# Altium PCB PCB for invertor.PcbDoc (part 1 of 2)
Units mm, origin at the board's own origin, x right, y up, seen from the top; angles counter-clockwise.
Board outline 300 x 145 mm, 2 copper layers (Top Layer, Bottom Layer), stack 1.642 mm thick; 246 components, 87 nets, 780 pads, 936 vias.
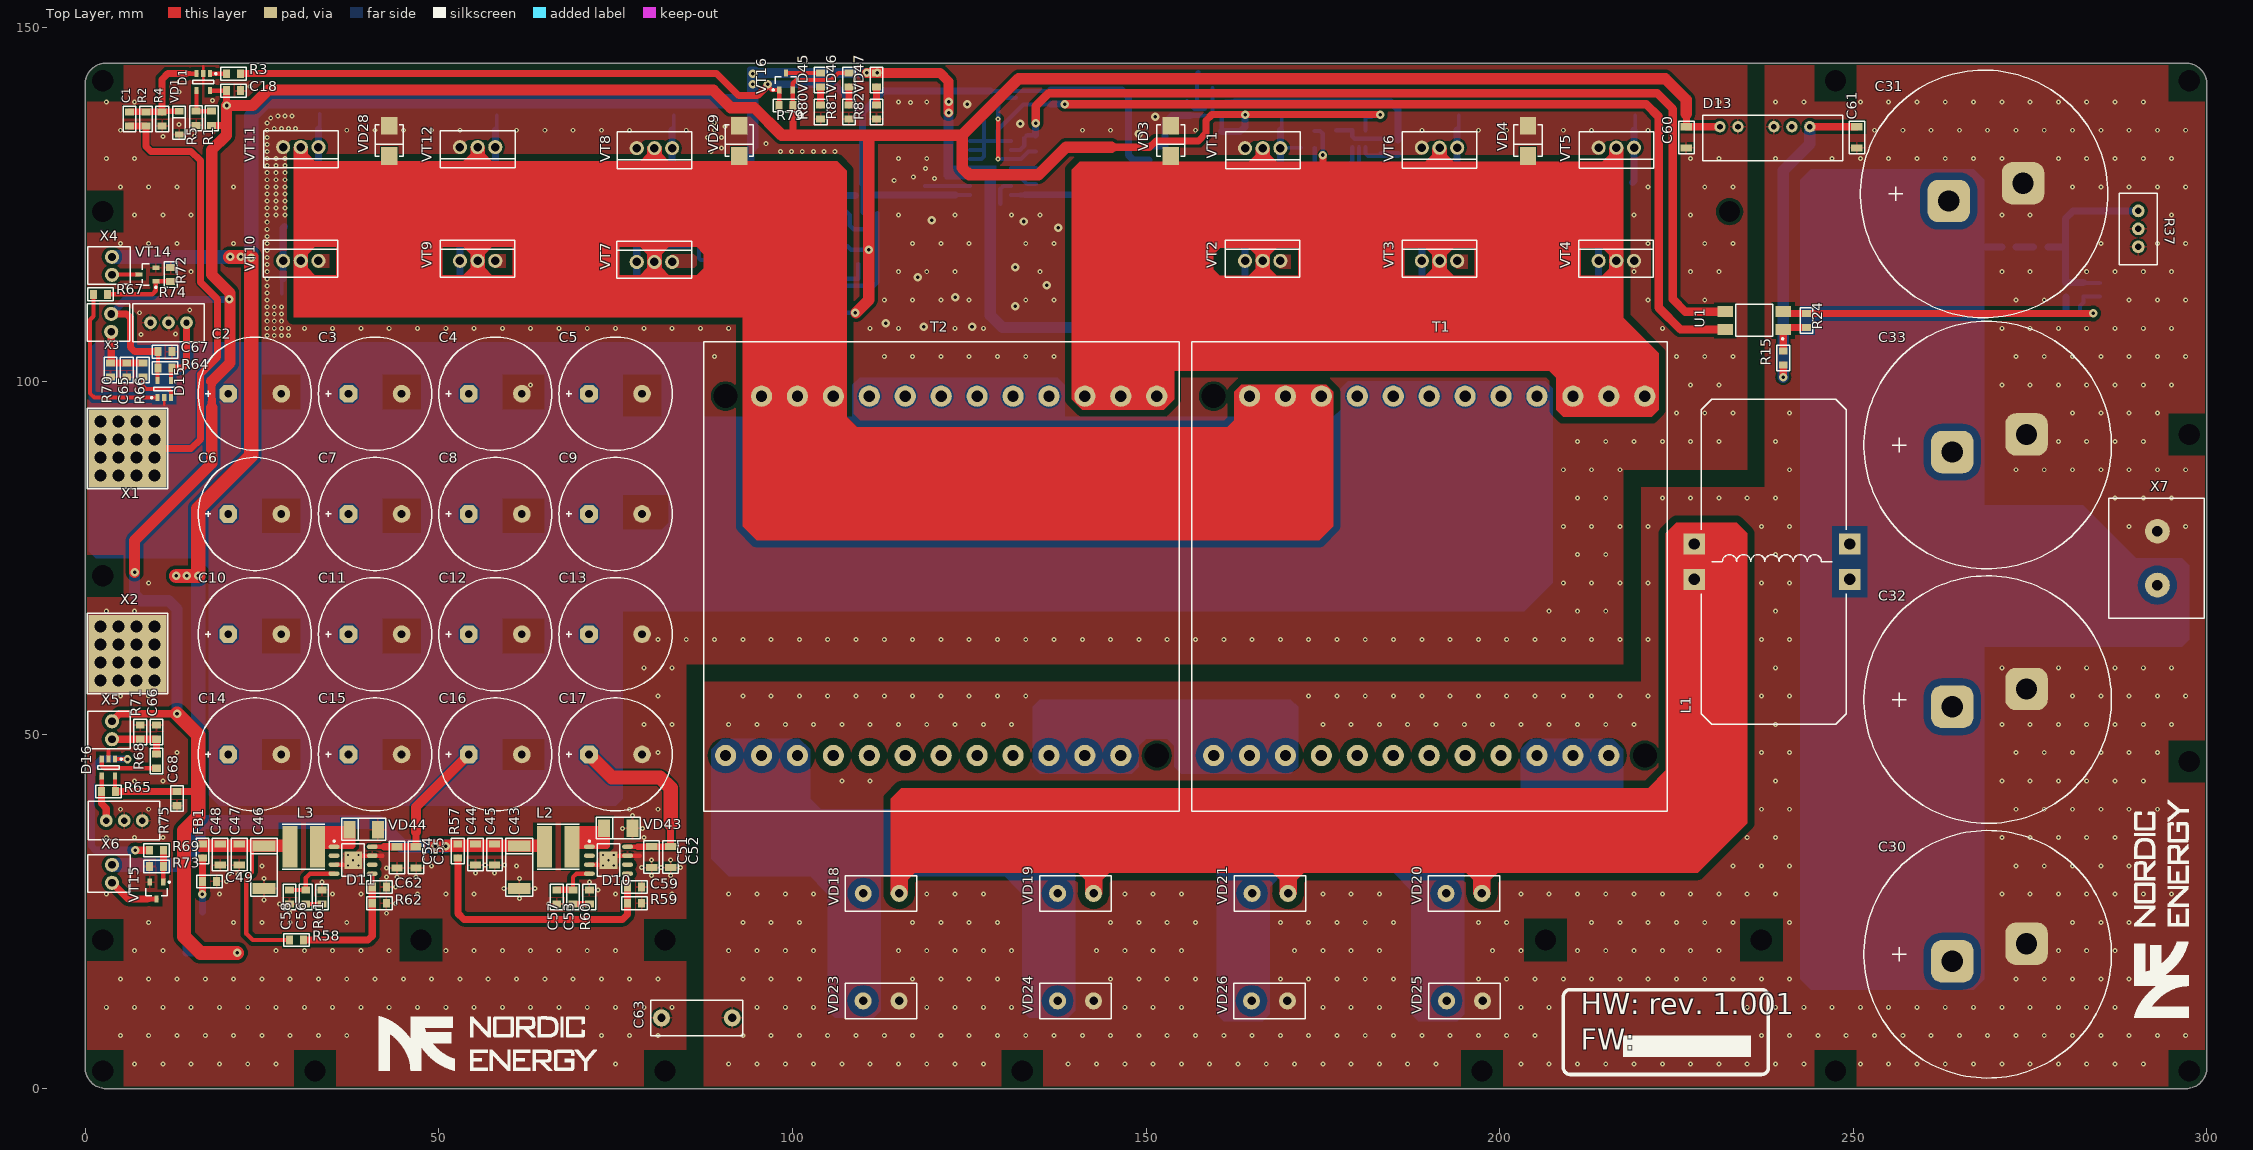
[diagram p0: Top Layer view]
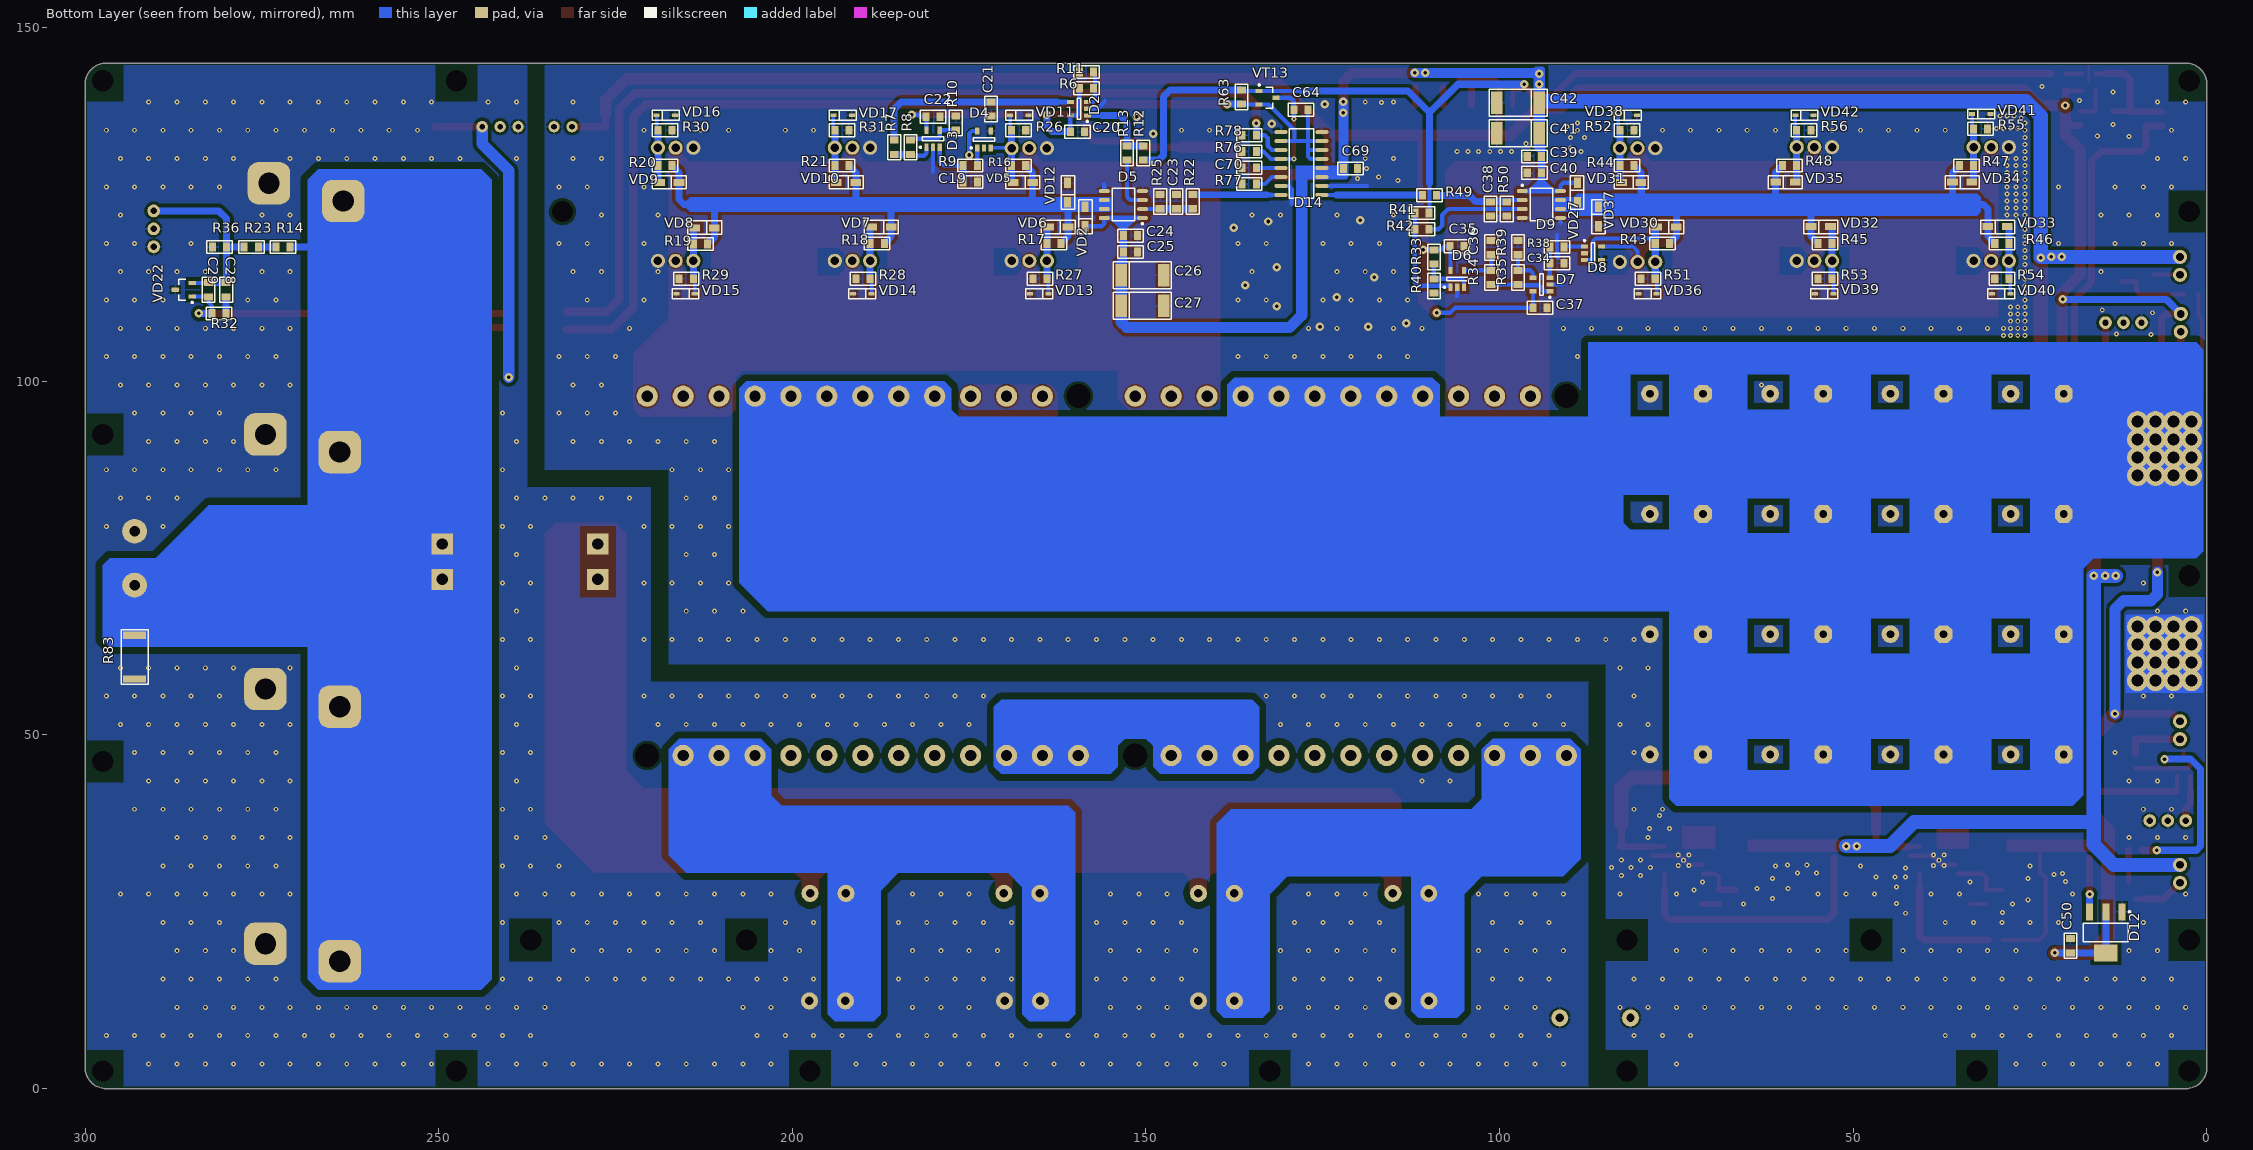
[diagram p1: Bottom Layer view, seen from below]
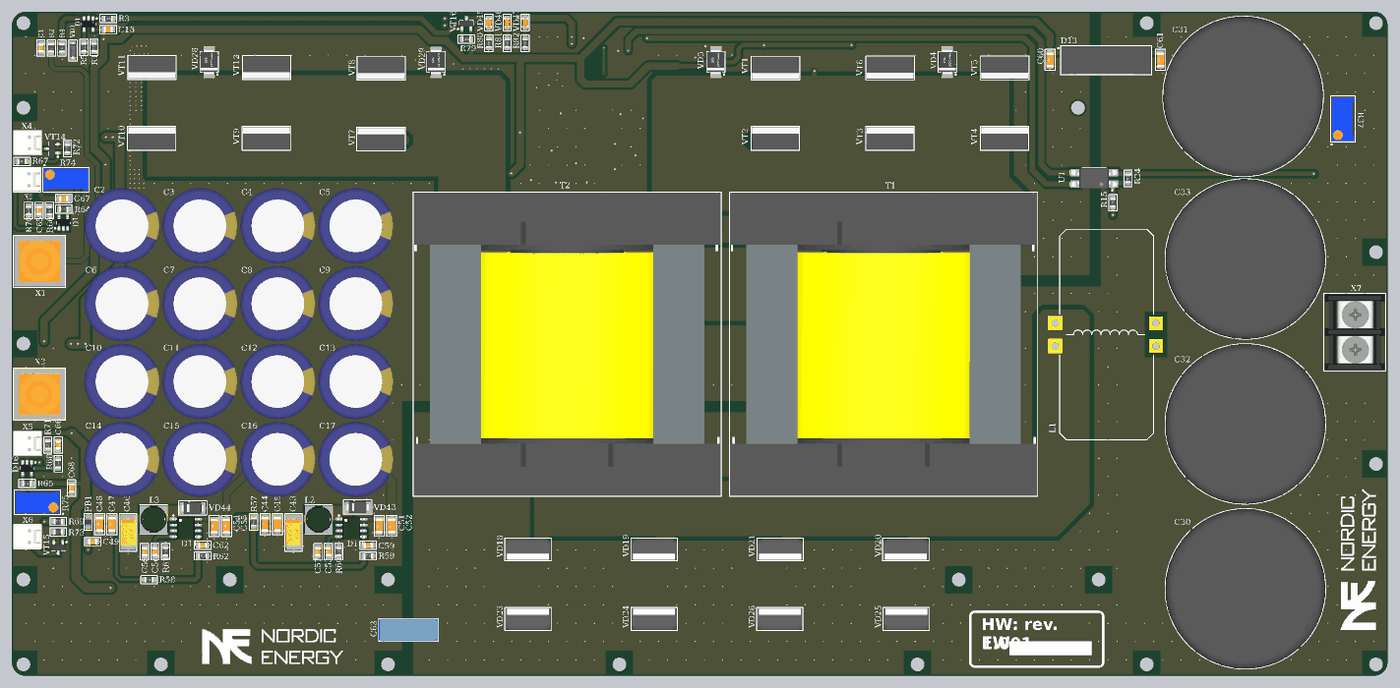
[diagram p3: 3D render of the assembled board from above, using the file's embedded part models]
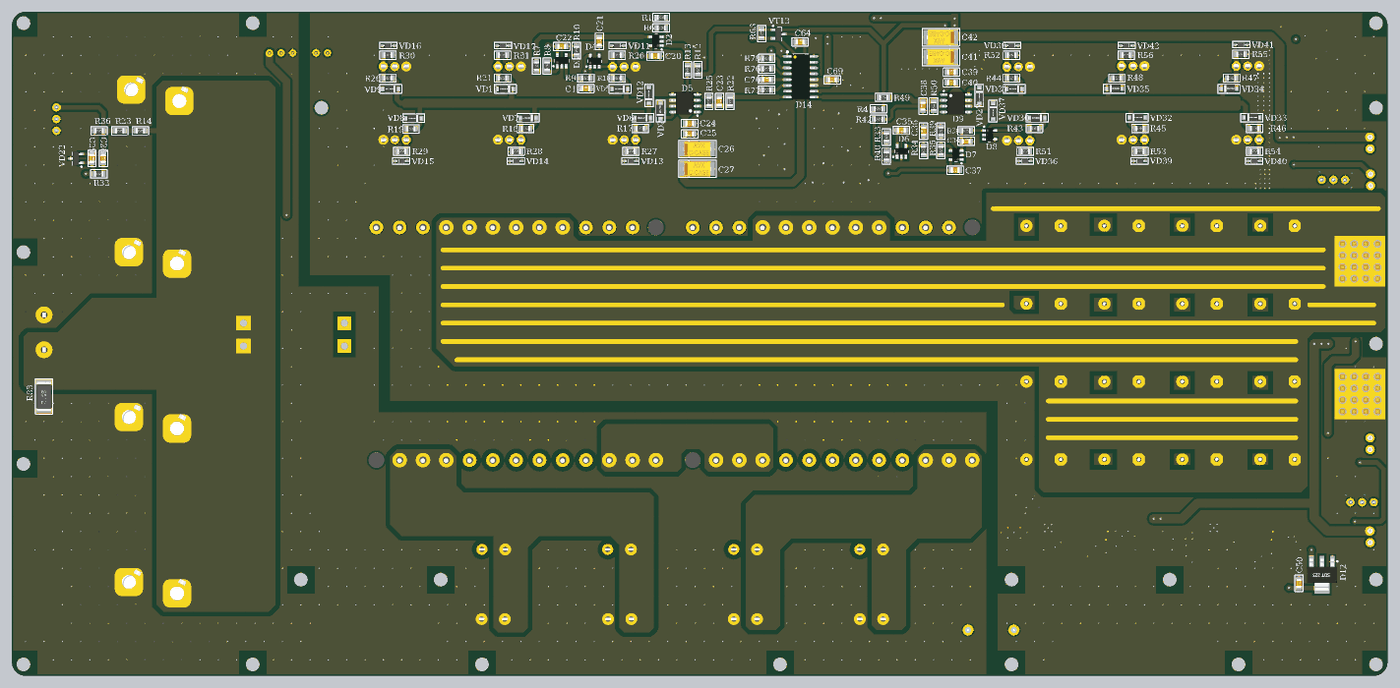
[diagram p4: 3D render of the assembled board from below, using the file's embedded part models]

## Layer stack, top to bottom
Top Solder: solder mask 0.0102, Solder Resist, Dk 3.5
Top Layer: signal copper 0.0711
Dielectric 1: dielectric 1.5, FR-4, Dk 4.8
Bottom Layer: signal copper 0.0711
Bottom Solder: solder mask 0.0102, Solder Resist, Dk 3.5

## Board outline
0,3 ccw(c3,3) 3,0 297,0 ccw(c297,3) 300,3 300,142 ccw(c297,142) 297,145 3,145 ccw(c3,142) 0,142

## Design rules (kind name [scope] priority, off if disabled: settings)
BoardOutlineClearance [All] p1: gap=0.3 ignorepadtopadclearanceinfootprint=FALSE
Clearance Clearance_Net_Power [InNetClass('Net_Power_DC')] p1: gap=0.2 ignorepadtopadclearanceinfootprint=FALSE except(0: Arc-Hole Track-Hole SMDPad-Hole THPad-Hole Via-Hole Fill-Hole Poly-Hole Region-Hole Text-Hole; 1: Poly-Poly Poly-Region Region-Region)
Clearance Clearance_Pad_HV [InPadClass('Pad_HV')] p2: gap=1 ignorepadtopadclearanceinfootprint=FALSE except(0: Arc-Hole Track-Hole SMDPad-Hole THPad-Hole Via-Hole Fill-Hole Poly-Hole Region-Hole Text-Hole)
Clearance Clearance_NPTH [All vs InPadClass('NPTH')] p3: gap=0.4 ignorepadtopadclearanceinfootprint=FALSE
Clearance Clearance_MultiLayerPad [OnLayer('Multi-Layer') and IsPad] p4: gap=0.4 ignorepadtopadclearanceinfootprint=FALSE except(0: Arc-Hole Track-Hole SMDPad-Hole THPad-Hole Via-Hole Fill-Hole Poly-Hole Region-Hole Text-Hole)
Clearance Clearance_Polygon_HV [InNet('GND2')] p5: gap=0.5 ignorepadtopadclearanceinfootprint=FALSE except(0: Arc-Hole Track-Hole SMDPad-Hole THPad-Hole Via-Hole Fill-Hole Poly-Hole Region-Hole Text-Hole; 1: Arc-THPad Track-THPad SMDPad-THPad THPad-THPad THPad-Via THPad-Fill THPad-Poly THPad-Region Poly-Poly Poly-Region Region-Region)
Clearance Clearance_Polygon [InPolygon] p6: gap=0.5 ignorepadtopadclearanceinfootprint=FALSE except(1: Poly-Poly Region-Region)
Clearance [All] p7: gap=0.2 ignorepadtopadclearanceinfootprint=FALSE except(0: Arc-Hole Track-Hole SMDPad-Hole THPad-Hole Via-Hole Fill-Hole Poly-Hole Region-Hole Text-Hole)
Height [All] p1: minheight=0 maxheight=60 prefheight=12.7
HoleSize [All] p1: absolutevalues=TRUE maxlimit=10 minlimit=0.025 maxpercent=80.000 minpercent=20.000
HoleToHoleClearance [All] p1: gap=0.2 allowstackedmicrovias=TRUE
MinimumSolderMaskSliver [All] p1: minsoldermaskwidth=0.1
PlaneClearance [All] p1: clearance=0.5
PlaneConnect [All] p1: planeconnectstyle=Relief reliefexpansion=0.5 reliefentries=4 reliefconductorwidth=0.3 reliefairgap=0.2
PolygonConnect PolygonConnect_PowerPAD_GND [InPadClass('PowerPAD_GND')] p1: connectstyle=Direct reliefconductorwidth=0.254 reliefentries=4 polygonreliefangle="90 Angle" airgapwidth=0.254
PolygonConnect PolygonConnect_PadGND [InNet('GND') and InNet('GND2') and IsPad] p2: connectstyle=Relief reliefconductorwidth=0.6 reliefentries=4 polygonreliefangle="90 Angle" airgapwidth=0.5
PolygonConnect PolygonConnect_Via [IsVia] p3: connectstyle=Direct reliefconductorwidth=0.254 reliefentries=4 polygonreliefangle="90 Angle" airgapwidth=0.254
PolygonConnect [All] p4: connectstyle=Relief reliefconductorwidth=0.3 reliefentries=4 polygonreliefangle="90 Angle" airgapwidth=0.3
RoutingVias [All] p1: holewidth=0.3 width=0.7 viastyle="Through Hole" minholewidth=0.3 minwidth=0.7 maxholewidth=0.6 maxwidth=1.2
SilkToSilkClearance [All] p1: silktosilkclearance=0.2
SilkToSolderMaskClearance [IsPad] p1: minsilkscreentomaskgap=0.1 clearancetoexposedcopper=TRUE
SolderMaskExpansion [All] p1: expansion=0.075
Width [All] p1: maxlimit=10 minlimit=0.15 preferedwidth=0.15
22 further rules are at their usual default settings.

## Classes and differential pairs
pad class NPTH: C30-2 C31-2 C32-2 C33-2 Free- T1- T2-
pad class PowerPAD_GND: C2-2 C3-2 C4-2 C5-2 C6-2 C7-2 C8-2 C9-2 C10-2 C11-2 C12-2 C13-2 C14-2 C15-2 C16-2 C17-2 C30-2 C31-2 C32-2 C33-2 D10-0 "D10- 0" D11-0 "D11- 0" R83-1 R83-2 VD3-1 VD4-1 VD23-1 VD24-1 VD25-1 VD26-1 VD28-1 VD29-1 VT1-3 VT2-3 VT3-3 VT4-3 VT5-3 VT6-3 VT7-3 VT8-3 VT9-3 VT10-3 VT11-3 VT12-3 X1-1 X2-1 X7-1 X7-2
pad class Pad_HV: C30-1 C31-1 C32-1 C33-1 L1-1 L1-2 T1-4 T1-5 T1-6 T2-4 T2-5 T2-6 VD18-1 VD18-2 VD19-1 VD19-2 VD20-1 VD20-2 VD21-1 VD21-2 VD23-1 VD23-2 VD24-1 VD24-2 VD25-1 VD25-2 VD26-1 VD26-2 X7-1
net class Net_Power_DC: NetD4_5 NetD8_5 VCC_IN

## Components (designator, comment, footprint, x,y, rotation, side; value= is the part's Value field where it differs from the comment)
C1 "470 pF" CH0805C 6.3,137.1 r90 top
C2 "2200 μF" D16C7.5H25 24,98.25 r0 top value="2200 ?F"
C3 "2200 μF" D16C7.5H25 41,98.25 r0 top value="2200 ?F"
C4 "2200 μF" D16C7.5H25 58,98.25 r0 top value="2200 ?F"
C5 "2200 μF" D16C7.5H25 75,98.25 r0 top value="2200 ?F"
C6 "2200 μF" D16C7.5H25 24,81.25 r0 top value="2200 ?F"
C7 "2200 μF" D16C7.5H25 41,81.25 r0 top value="2200 ?F"
C8 "2200 μF" D16C7.5H25 58,81.25 r0 top value="2200 ?F"
C9 "2200 μF" D16C7.5H25 75,81.25 r0 top value="2200 ?F"
C10 "2200 μF" D16C7.5H25 24,64.25 r0 top value="2200 ?F"
C11 "2200 μF" D16C7.5H25 41,64.25 r0 top value="2200 ?F"
C12 "2200 μF" D16C7.5H25 58,64.25 r0 top value="2200 ?F"
C13 "2200 μF" D16C7.5H25 75,64.25 r0 top value="2200 ?F"
C14 "2200 μF" D16C7.5H25 24,47.25 r0 top locked value="2200 ?F"
C15 "2200 μF" D16C7.5H25 41,47.25 r0 top locked value="2200 ?F"
C16 "2200 μF" D16C7.5H25 58,47.25 r0 top locked value="2200 ?F"
C17 "2200 μF" D16C7.5H25 75,47.25 r0 top locked value="2200 ?F"
C18 "0.1 μF" CH0805C 21,141.1 r180 top value="0.1 ?F"
C19 "470 pF" CH0805C 174.85,128.2 r180 bottom
C20 "0.1 μF" CH0805C 159.7,135.3 r0 bottom value="0.1 ?F"
C21 "470 pF" CH0805C 171.9,138.5 r270 bottom
C22 "0.1 μF" CH0805C 180.1,137.4 r0 bottom value="0.1 ?F"
C23 "1 nF" CH0805C 145.7,125.4 r270 bottom
C24 "0.1 μF" CH0805C 152.2,120.6 r0 bottom value="0.1 ?F"
C25 "1 μF" CH0805C 152.2,118.3 r0 bottom value="1 ?F"
C26 "10 μF" TANTAL_C#1 150.5,115 r180 bottom value="10 ?F"
C27 "10 μF" TANTAL_C#1 150.5,110.7 r180 bottom value="10 ?F"
C28 "0.1 μF" CH0805C 280.05,112.95 r270 bottom value="0.1 ?F"
C29 "330 pF" CH0805C 282.55,112.95 r270 bottom
C30 "680 μF" D35C10.5H50 264,18 r0 top locked value="680 ?F"
C31 "680 μF" D35C10.5H50 263.5,125.5 r0 top locked value="680 ?F"
C32 "680 μF" D35C10.5H50 264,54 r0 top locked value="680 ?F"
C33 "680 μF" D35C10.5H50 264,90 r0 top locked value="680 ?F"
C34 "470 pF" CH0805C 91.9,116.7 r180 bottom
C35 "0.1 μF" CH0805C 106,119.1 r0 bottom value="0.1 ?F"
C36 "470 pF" CH0805C 101.2,118.9 r90 bottom
C37 "0.1 μF" CH0805C 94.3,110.4 r0 bottom value="0.1 ?F"
C38 "1 nF" CH0805C 101.3,124.375 r90 bottom
C39 "0.1 μF" CH0805C 95.1,131.8 r180 bottom value="0.1 ?F"
C40 "1 μF" CH0805C 95.1,129.5 r180 bottom value="1 ?F"
C41 "10 μF" TANTAL_C#1 97.4,135.1 r0 bottom value="10 ?F"
C42 "10 μF" TANTAL_C#1 97.4,139.4 r0 bottom value="10 ?F"
C43 "10 μF" TANTAL_C#2 61.4,31.3 r270 top value="10 ?F"
C44 "22 μF" CH1206C 55.2,33.1 r90 top value="22 ?F"
C45 "22 μF" CH1206C 57.9,33.1 r90 top value="22 ?F"
C46 "10 μF" TANTAL_C#2 25.3,31.3 r270 top value="10 ?F"
C47 "22 μF" CH1206C 21.8,33.1 r90 top value="22 ?F"
C48 "22 μF" CH1206C 19.1,33.1 r90 top value="22 ?F"
C49 "0.1 μF" CH0805C 17.6,29.3 r180 top value="0.1 ?F"
C50 "0.1 μF" CH0805C 19.3,20.2 r270 bottom value="0.1 ?F"
C51 "10 μF" CH1206C 80.1,32.75 r90 top value="10 ?F"
C52 "10 μF" CH1206C 82.8,32.75 r90 top value="10 ?F"
C53 "22 nF" CH0805C 69,27.1 r90 top
C54 "10 μF" CH1206C 44.1,32.7 r90 top value="10 ?F"
C55 "10 μF" CH1206C 46.8,32.7 r90 top value="10 ?F"
C56 "22 nF" CH0805C 31.2,27.1 r90 top
C57 "220 pF" CH0805C 66.7,27.1 r90 top
C58 "220 pF" CH0805C 28.9,27.1 r90 top
C59 "220 pF" CH0805C 77.7,28.5 r180 top
C60 "22 μF" CH1206C 226.4,134.5 r90 top value="22 ?F"
C61 "22 μF" CH1206C 250.5,134.5 r90 top value="22 ?F"
C62 "220 pF" CH0805C 41.6,28.5 r180 top
C63 "4.7 nF" "CAP: B32021" 86.5,10 r0 top
C64 "10 μF" CH0805C 128.1,138.4 r180 bottom value="10 ?F"
C65 "1 nF" CH0805C 5.9,101.6 r90 top
C66 "1 nF" CH0805C 10.1,50.4 r270 top
C67 "0.1 μF" CH0805C 11.3,104.2 r180 top value="0.1 ?F"
C68 "0.1 μF" CH0805C 13,41 r90 top value="0.1 ?F"
C69 "1 μF" CH0805C 121.1,130.1 r0 bottom value="1 ?F"
C70 "1 nF" CH0805C 135.4,130.2 r180 bottom
D1 "MCP6541T" SOT23-5#1 16.7,142.3 r270 top
D2 "MCP6541T" SOT23-5#2 159.5,138.55 r0 bottom
D3 "MCP6001T" SOT23-5#2 180.1,134.3 r90 bottom
D4 "IR25750LTRPBF" SOT23-5#2 172.9,134.2 r90 bottom
D5 "UCC27322D" 8-SOIC 153.2,125 r0 bottom
D6 "MCP6541T" SOT23-5#2 106,114.5 r90 bottom
D7 "MCP6001T" SOT23-5#2 94.1,113.7 r0 bottom
D8 "IR25750LTRPBF" SOT23-5#2 86.8,118.1 r180 bottom
D9 "UCC27322D" 8-SOIC 94.1,125 r180 bottom locked
D10 "L5973AD" "8-SOIC (PAD)" 74,32.295 r0 top
D11 "L5973AD" "8-SOIC (PAD)" 37.9,32.295 r0 top
D12 "NCP1117ST50T3G" SOT223 14.3,22.1 r270 bottom
D13 "TMA-0505S" "MOD: TMA-0505S" 237.5,136 r0 top
D14 "TL598CDR" 16-SOIC 128,130.8 r180 bottom
D15 "MCP6541T" SOT23-5#1 11.2,98.9 r90 top
D16 "MCP6541T" SOT23-5#1 3.3,45.4 r270 top
FB1 "120R" CH0805L 16.6,33.6 r90 top
L1 "500 μH" "IND: R46" 227.5,74.5 r0 top locked value="500 ?H"
L2 "22 μH" "IND: SDR0604" 66.9,34.2 r0 top value="22 ?H"
L3 "22 μH" "IND: SDR0604" 30.9,34.2 r0 top value="22 ?H"
R1 "5k6" CH0805R 17.9,137.2 r270 top
R2 "100k" CH0805R 8.6,137.1 r90 top
R3 "100R" CH0805R 21,143.5 r180 top
R4 "10k" CH0805R 10.9,137.1 r270 top
R5 "3k3" CH0805R 15.7,137.2 r270 top
R6 "13k" CH0805R 158.4,141.45 r0 bottom
R7 "1k" CH0805R 185.6,133.1 r90 bottom
R8 "10k" CH0805R 183.3,133.1 r270 bottom
R9 "1k" CH0805R 174.85,130.5 r0 bottom
R10 "1k" CH0805R 176.9,136.5 r90 bottom
R11 "10k" CH0805R 158.4,143.75 r0 bottom
R12 "100R" CH0805R 150.4,132.3 r270 bottom
R13 "100R" CH0805R 152.7,132.3 r90 bottom
R14 "510k" CH0805R 272,119 r0 bottom
R15 "220R" CH0805R 240.1,103.3 r270 top